# KiCad board LED_Matrix_Phone_Case.kicad_pcb (continued)
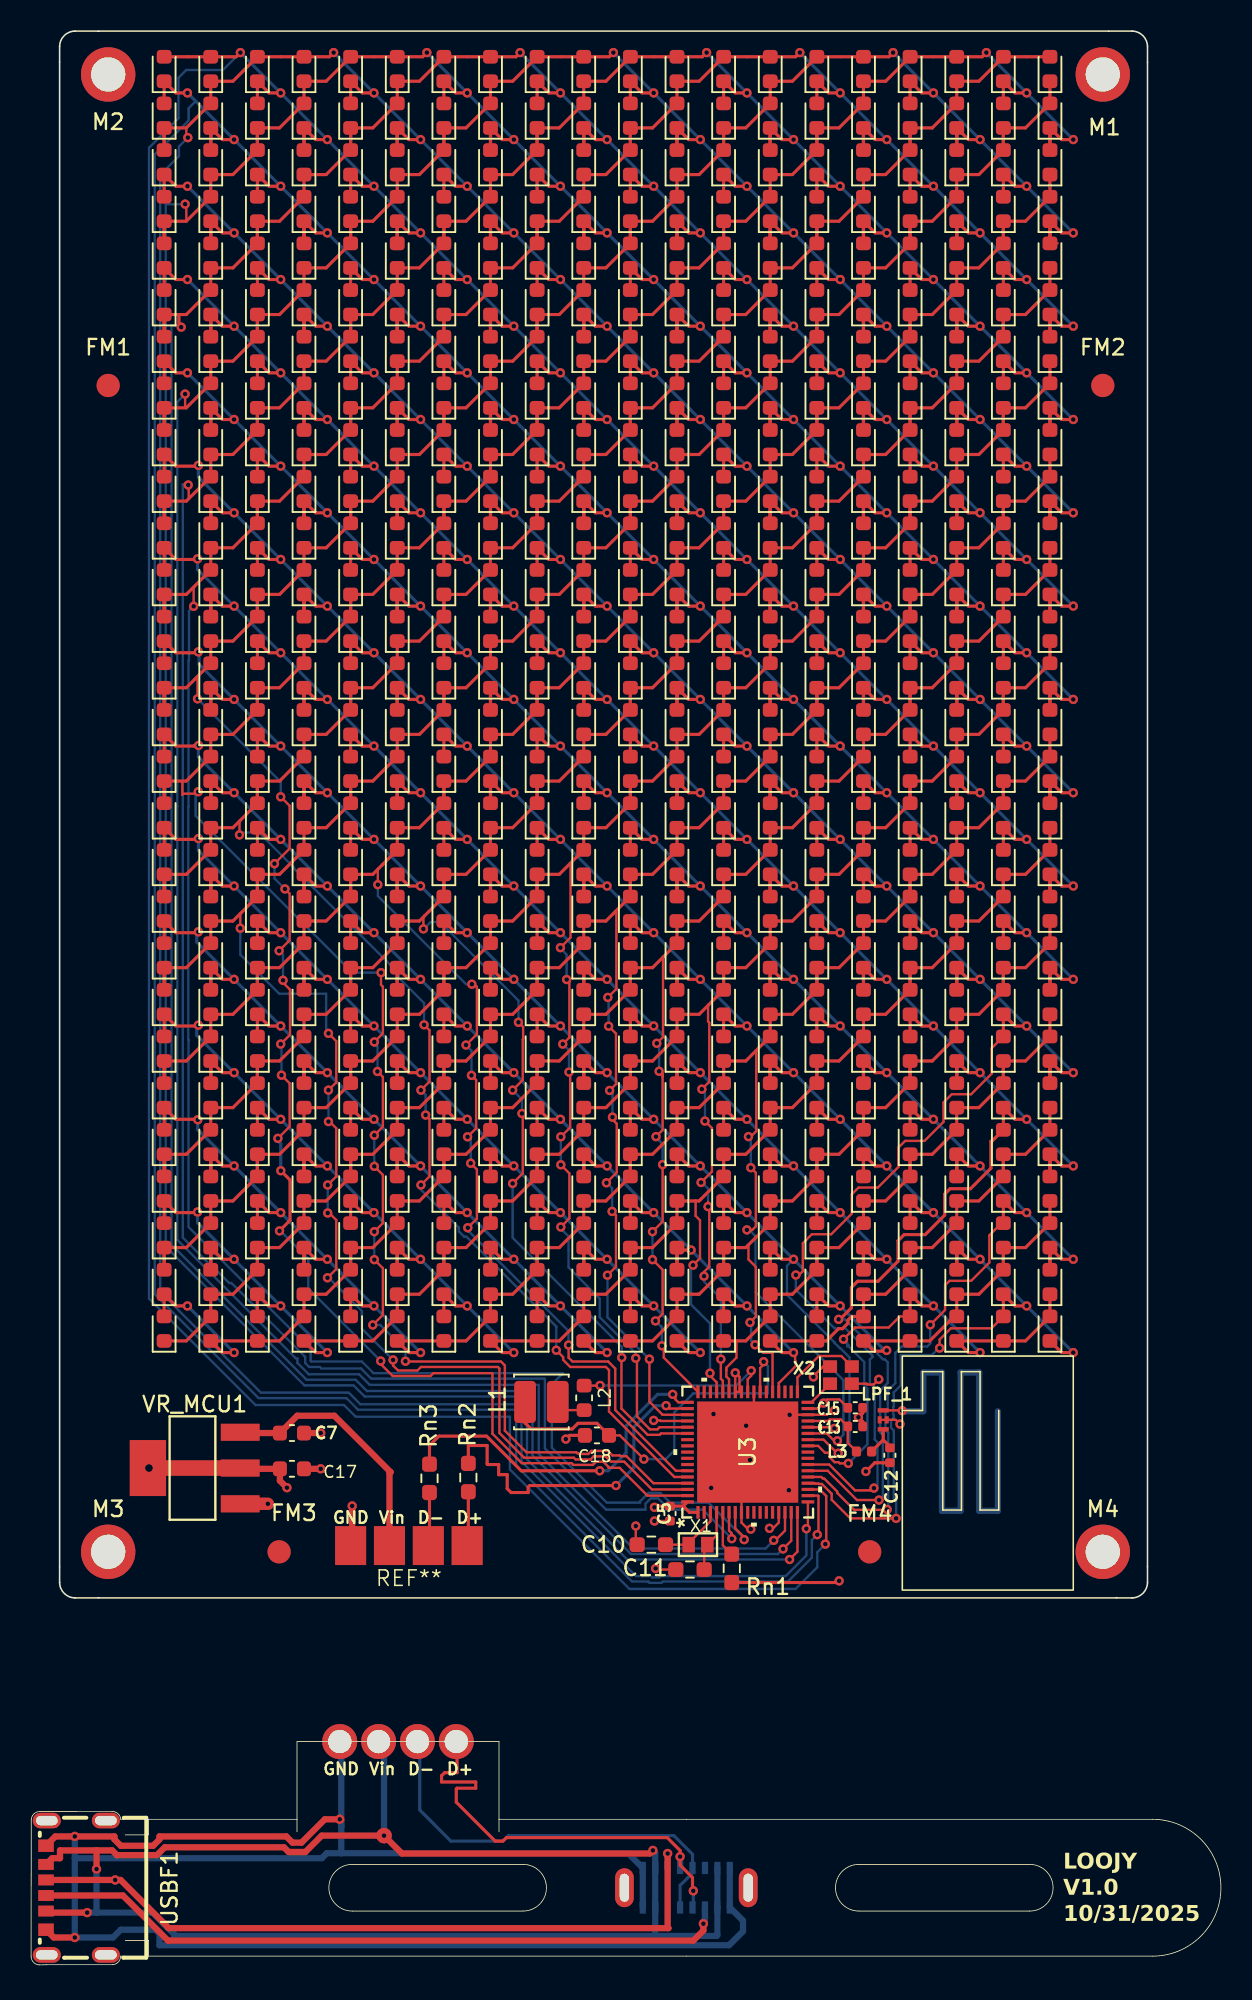
[diagram p0: board, top side]
## Routing (per net, layer and track width the routed paths; a pad name or vN(x,y) marks a point on that pad's centre or on a via; arc(x,y) is an arc through that point) (continued)
LED_24: length 171.6
  Top w0.15: v1(51.94,32.9) 51.87,32.9 51,33.77 U3.28
  Top w0.2: v1(55.06,39.51) 55.06,39.46 55.05,39.46 54.22,39.46 REF**550.1 REF**553.1 57.82,40.12 59.4,41.7 REF**554.2 REF**556.1 60.99,43.12 REF**#3.2 ; REF**#3.2 REF**517.1 63.99,46.12 REF**518.2 REF**520.1 ; REF**#3.2 62.56,46.16 ; v1(46.06,48.37) 45.31,48.37 REF**507.1 REF**505.2 ; REF**549.2 REF**551.1 51.31,42.37 v1(52.06,42.37) ; REF**373.2 REF**375.1 27.31,66.37 v1(28.06,66.37) ; REF**372.2 REF**330.1 24.31,69.37 v1(25.06,69.37) ; REF**372.2 23.56,70.16 REF**372.2 ; REF**417.2 REF**419.1 33.31,60.37 v1(34.06,60.37) ; v1(22.06,72.37) 21.31,72.37 REF**331.1 REF**329.2 ; REF**284.2 11.56,82.16 REF**284.2 ; REF**284.2 REF**242.1 12.31,81.37 v1(13.06,81.37) ; REF**504.2 41.56,52.16 REF**504.2 ; REF**504.2 REF**462.1 42.31,51.37 v1(43.06,51.37) ; REF**460.2 35.56,58.16 REF**460.2 ; REF**460.2 REF**418.1 36.31,57.37 v1(37.06,57.37) ; v1(40.06,54.37) 39.31,54.37 REF**463.1 REF**461.2 ; REF**416.2 29.56,64.16 REF**416.2 ; REF**416.2 REF**374.1 30.31,63.37 v1(31.06,63.37) ; REF**548.2 REF**506.1 48.31,45.37 v1(49.06,45.37) ; REF**548.2 47.56,46.16 REF**548.2 ; REF**328.2 17.56,76.16 REF**328.2 ; REF**328.2 REF**286.1 18.31,75.37 v1(19.06,75.37) ; v1(16.06,78.37) 15.31,78.37 REF**287.1 REF**285.2 ; REF**241.2 REF**243.1 9.31,84.37 10.55,84.37 10.61,84.43 v1(10.76,84.43)
  Bottom w0.15: v1(51.94,32.9) 52.66,33.62 52.66,39.06 52.07,39.66 52.04,39.66 51.7,39.99 51.7,40.02 48.64,43.09 48.64,44.95 v1(49.06,45.37)
  Bottom w0.2: v1(10.76,84.43) 10.81,84.38 10.81,83.62 v1(13.06,81.37) v1(16.06,78.37) v1(19.06,75.37) v1(22.06,72.37) v1(25.06,69.37) v1(28.06,66.37) v1(31.06,63.37) v1(34.06,60.37) v1(37.06,57.37) v1(40.06,54.37) v1(43.06,51.37) v1(46.06,48.37) v1(49.06,45.37) v1(52.06,42.37) 54.76,39.67 54.76,39.59 54.83,39.51 v1(55.06,39.51)
LED_25: length 154.4
  Top w0.15: v1(46.16,53.26) 46.31,53.26 46.66,53.61 46.66,58.71 46.62,58.75 ; v1(46.06,47.26) 46.41,47.26 46.64,47.49 46.64,50.94 v1(46.31,51.26) ; v1(51.89,33.7) 51.67,33.7 51.2,34.17 U3.29
  Top w0.2: REF**539.2 REF**497.1 33.99,46.12 REF**498.2 REF**500.1 36.99,49.12 REF**503.2 ; REF**539.2 32.56,46.16 ; REF**539.2 30.99,43.12 REF**536.1 REF**534.2 27.99,40.12 REF**533.1 REF**530.1 24.31,39.37 v1(25.06,39.37) ; REF**395.2 54.99,67.12 REF**392.1 REF**390.2 51.99,64.12 REF**389.1 REF**431.2 ; REF**395.2 56.56,70.16 ; REF**395.2 REF**353.1 57.99,70.12 REF**354.2 REF**356.1 60.99,73.12 REF**359.2 ; REF**503.2 38.56,52.16 ; REF**503.2 REF**461.1 39.99,52.12 REF**462.2 REF**464.1 42.99,55.12 REF**467.2 ; REF**467.2 44.56,58.16 ; REF**467.2 REF**425.1 45.99,58.12 REF**426.2 REF**428.1 48.99,61.12 REF**431.2 ; REF**484.2 11.56,52.16 REF**484.2 ; REF**484.2 REF**442.1 12.31,51.37 v1(13.06,51.37) ; REF**359.2 REF**317.1 63.99,76.12 REF**318.2 REF**320.1 ; REF**359.2 62.56,76.16 ; REF**431.2 50.56,64.16 ; REF**528.2 17.56,46.16 REF**528.2 ; REF**528.2 REF**486.1 18.31,45.37 v1(19.06,45.37) ; v1(10.73,54.34) 10.7,54.37 9.31,54.37 REF**443.1 REF**441.2 ; REF**485.2 REF**487.1 15.31,48.37 v1(16.06,48.37) ; REF**529.2 REF**531.1 21.31,42.37 v1(22.06,42.37)
  Bottom w0.15: 46.31,47.26 v1(46.06,47.26) 46.21,47.26 46.61,46.86 46.61,43.26 52.27,37.61 52.27,34.08 v1(51.89,33.7) ; v1(46.16,53.26) 46.31,53.11 v1(46.31,51.26)
  Bottom w0.2: v1(10.73,54.34) 10.73,53.71 v1(13.06,51.37) v1(16.06,48.37) v1(19.06,45.37) v1(22.06,42.37) v1(25.06,39.37)
LED_26: length 145.9
  Top w0.15: U3.46 44.91,37.66 44.74,37.83 44.74,38.25 ; 44.74,38.25 44.74,38.31 ; 44.74,38.25 44.74,38.4 45.39,39.05 45.39,40.1 45.41,40.12 ; 41.51,40.17 REF**542.1
  Top w0.2: REF**479.2 60.99,55.12 REF**476.1 REF**474.2 57.99,52.12 REF**473.1 REF**515.2 ; REF**479.2 62.56,58.16 ; REF**479.2 REF**437.1 63.99,58.12 REF**438.2 REF**440.1 ; v1(40.06,42.37) 39.31,42.37 REF**543.1 REF**541.2 ; v1(10.77,72.42) 10.72,72.37 9.31,72.37 REF**323.1 REF**321.2 ; REF**452.2 23.56,58.16 REF**452.2 ; REF**452.2 REF**410.1 24.31,57.37 v1(25.06,57.37) ; REF**496.2 REF**454.1 30.31,51.37 v1(31.06,51.37) ; REF**496.2 29.56,52.16 REF**496.2 ; v1(19.06,63.37) 18.31,63.37 REF**366.1 REF**408.2 ; v1(22.06,60.37) 21.31,60.37 REF**411.1 REF**409.2 ; REF**551.2 REF**509.1 51.99,46.12 REF**510.2 REF**512.1 54.99,49.12 REF**515.2 ; REF**551.2 50.56,46.16 ; REF**551.2 48.99,43.12 REF**548.1 REF**546.2 45.99,40.12 REF**545.1 REF**542.1 42.31,39.37 v1(43.06,39.37) ; REF**540.2 35.56,46.16 REF**540.2 ; REF**540.2 REF**498.1 36.31,45.37 v1(37.06,45.37) ; REF**364.2 11.56,70.16 REF**364.2 ; REF**364.2 REF**322.1 12.31,69.37 v1(13.06,69.37) ; REF**453.2 REF**455.1 27.31,54.37 v1(28.06,54.37) ; REF**515.2 56.56,52.16 ; v1(34.06,48.37) 33.31,48.37 REF**499.1 REF**497.2 ; REF**365.2 REF**367.1 15.31,66.37 v1(16.06,66.37) ; REF**408.2 17.56,64.16 REF**408.2
  Bottom w0.2: v1(10.77,72.42) 10.77,71.67 v1(13.06,69.37) v1(16.06,66.37) v1(19.06,63.37) v1(22.06,60.37) v1(25.06,57.37) v1(28.06,54.37) v1(31.06,51.37) v1(34.06,48.37) v1(37.06,45.37) v1(40.06,42.37) v1(43.06,39.37)
LED_27: length 143.9
  Top w0.15: v1(43.16,56.31) 43.64,56.79 43.64,60.59 43.56,60.66 43.56,61.7 43.59,61.73 ; v1(43.3,44.29) 43.3,44.56 43.64,44.9 43.64,48.54 43.56,48.61 v1(43.56,48.76) 43.56,49.06 ; v1(43.36,54.26) 43.81,53.81 43.81,51.01 v1(43.11,50.31) ; 44.49,38.95 v1(44.38,38.95) 44.38,37.69 44.51,37.56 U3.47
  Top w0.2: REF**463.2 38.56,58.16 ; REF**463.2 36.99,55.12 REF**460.1 REF**458.2 33.99,52.12 REF**457.1 REF**499.2 ; REF**463.2 REF**421.1 39.99,58.12 REF**422.2 REF**424.1 42.99,61.12 REF**427.2 ; REF**524.2 REF**482.1 12.31,45.37 v1(13.06,45.37) ; REF**524.2 11.56,46.16 REF**524.2 ; v1(10.71,48.41) 10.67,48.37 9.31,48.37 REF**483.1 REF**481.2 ; REF**355.2 56.56,76.16 ; REF**355.2 54.99,73.12 REF**352.1 REF**350.2 51.99,70.12 REF**349.1 REF**391.2 ; REF**355.2 REF**313.1 57.99,76.12 REF**314.2 REF**316.1 60.99,79.12 REF**319.2 ; REF**391.2 48.99,67.12 REF**388.1 REF**386.2 45.99,64.12 REF**385.1 REF**427.2 ; REF**391.2 50.56,70.16 ; REF**525.2 REF**527.1 15.31,42.37 v1(16.06,42.37) ; REF**427.2 44.56,64.16 ; REF**499.2 30.99,49.12 REF**496.1 REF**494.2 27.99,46.12 REF**493.1 REF**535.2 ; REF**499.2 32.56,52.16 ; REF**535.2 26.56,46.16 ; REF**535.2 24.99,43.12 REF**532.1 REF**530.2 21.99,40.12 REF**529.1 REF**526.1 18.31,39.37 v1(19.06,39.37) ; REF**319.2 62.56,82.16 ; REF**319.2 REF**277.1 63.99,82.12 REF**278.2 REF**280.1
  Bottom w0.15: v1(43.3,44.29) 43.3,43.93 44.38,42.85 v1(44.38,38.95) ; v1(43.56,48.76) 43.56,49.91 43.21,50.26 ; v1(43.36,54.26) 43.36,56.06 43.16,56.26 v1(43.16,56.31)
  Bottom w0.2: v1(10.71,48.41) 10.71,47.72 v1(13.06,45.37) v1(16.06,42.37) v1(19.06,39.37)
LED_28: length 143
  Top w0.15: v1(42.59,44.99) 43.04,45.44 43.04,47.88 42.76,48.16 42.76,49.12 ; 43.09,49.22 43.1,49.24 ; U3.48 44.11,37.46 43.69,37.89 v1(43.69,38.05)
  Top w0.2: REF**488.2 17.56,52.16 REF**488.2 ; REF**488.2 REF**446.1 18.31,51.37 v1(19.06,51.37) ; REF**399.2 62.56,70.16 ; REF**399.2 REF**357.1 63.99,70.12 REF**358.2 REF**360.1 ; REF**399.2 60.99,67.12 REF**396.1 REF**394.2 57.99,64.12 REF**393.1 REF**435.2 ; REF**543.2 38.56,46.16 ; REF**543.2 REF**501.1 39.99,46.12 REF**502.2 REF**504.1 42.99,49.12 REF**507.2 ; REF**543.2 36.99,43.12 REF**540.1 REF**538.2 33.99,40.12 REF**537.1 REF**534.1 30.31,39.37 v1(31.06,39.37) ; REF**471.2 REF**429.1 51.99,58.12 REF**430.2 REF**432.1 54.99,61.12 REF**435.2 ; REF**471.2 50.56,58.16 ; REF**471.2 48.99,55.12 REF**468.1 REF**466.2 45.99,52.12 REF**465.1 REF**507.2 ; REF**532.2 23.56,46.16 REF**532.2 ; REF**532.2 REF**490.1 24.31,45.37 v1(25.06,45.37) ; REF**507.2 44.56,52.16 ; REF**445.2 REF**447.1 15.31,54.37 v1(16.06,54.37) ; REF**444.2 11.56,58.16 REF**444.2 ; REF**444.2 REF**402.1 12.31,57.37 v1(13.06,57.37) ; REF**435.2 56.56,64.16 ; REF**401.2 REF**403.1 9.31,60.37 10.57,60.37 10.63,60.43 v1(10.76,60.43) ; v1(22.06,48.37) 21.31,48.37 REF**491.1 REF**489.2 ; v1(28.06,42.37) 27.31,42.37 REF**535.1 REF**533.2
  Bottom w0.15: v1(42.59,44.99) 42.46,44.86 42.46,42.47 43.69,41.25 v1(43.69,38.05)
  Bottom w0.2: v1(31.06,39.37) v1(28.06,42.37) v1(25.06,45.37) v1(22.06,48.37) v1(19.06,51.37) v1(16.06,54.37) v1(13.06,57.37) 10.66,59.77 10.66,60.32 v1(10.76,60.43)
SERIAL_D+: length 54
  Top w0.15: U3.53 41.05,35.77 v1(40.86,35.96)
  Top w0.2: v1(37.64,30.82) 32.09,30.82 31.99,30.72 31.99,30.37 30.89,30.37 30.64,30.62 30.64,31.52 30.09,31.52 30.09,32.17 29.39,32.17 29.34,32.22 29.34,33.4 28.14,33.4 Rn2.2 ; REF**#2.4 28.14,27.04 Rn2.1 ; v1(42.61,4.76) 42.56,4.81 42.56,5.61 41.76,6.41 v1(41.76,6.96) 41.76,7.35 40.93,8.19 30.59,8.19 30.36,7.96 29.86,7.96 27.36,10.46 27.36,11.31 27.41,11.36 28.61,11.36 28.61,11.76 26.41,11.76 26.41,12.16 26.61,12.36 27.41,12.36 27.41,13.76 27.36,13.76
  Bottom w0.2: v1(37.64,30.82) 38.79,31.97 38.79,34.59 40.16,35.96 v1(40.86,35.96) ; USBM1.4 42.61,3.74 v1(42.61,4.76)
  Bottom w0.4: USBM1.12 v1(41.76,6.96)
SERIAL_D-: length 52.5
  Top w0.15: v1(41.29,36.69) 41.46,36.51 41.46,36.36 41.65,36.17 U3.52
  Top w0.2: Rn3.1 25.64,27.04 REF**#2.3 ; Rn3.2 25.64,33.4 26.24,34 29.31,34 31.54,31.77 v1(36.59,31.77)
  Bottom w0.2: v1(41.29,36.69) 40.32,36.69 38.29,34.65 38.29,32.92 37.14,31.77 v1(36.59,31.77) ; 24.86,13.76 25.01,13.76 25.01,9.96 27.01,7.96 30.36,7.96 30.71,8.31 41.36,8.31 42.56,7.11 USBM1.13 42.56,5.91 41.76,5.11 USBM1.5

## Copper pours and planes (outline as drawn; the poured copper is in the pictures)
/3.3V_PHONE on In1.Cu: 2.76,123.96 2.96,24.06 55.96,24.06 55.96,39.06 71.46,39.06 71.46,124.06 2.96,124.06
GND on In2.Cu: 2.46,124.06 2.96,24.06 55.96,24.06 55.96,39.06 71.21,39.06 71.21,124.06

## Text on the board
B.Silkscreen: GND | Vin | D- | D+ | LED MATRIX DISPLAY CASE / V1.0 / 10/31/2025 / LOOJY
User.Comments: USB-C port on this side
User.Drawings: the dimensions of this tab are completely arbitrary / and should definitely be revisited in the future | phone thickness | SPEAKER CUTOUT | Traces and ground plane must sit outside this zone
F.Silkscreen: GND | Vin | D- | D+ | LOOJY / V1.0 / 10/31/2025
